# Altium PCB SVPX_FMC_6U_SOM.PcbDoc (part 5 of 9)
Units mm, origin at the board's own origin, x right, y up, seen from the top; angles counter-clockwise.
Board outline 160.38 x 233.53 mm, 10 copper layers (Top Layer, L1, P1, L2, P2, P3, L3, P4, L4, Bottom Layer), stack 1.749 mm thick; 649 components, 1262 nets, 4113 pads, 1924 vias.
Unrouted connection lines stored in the file: 1553.
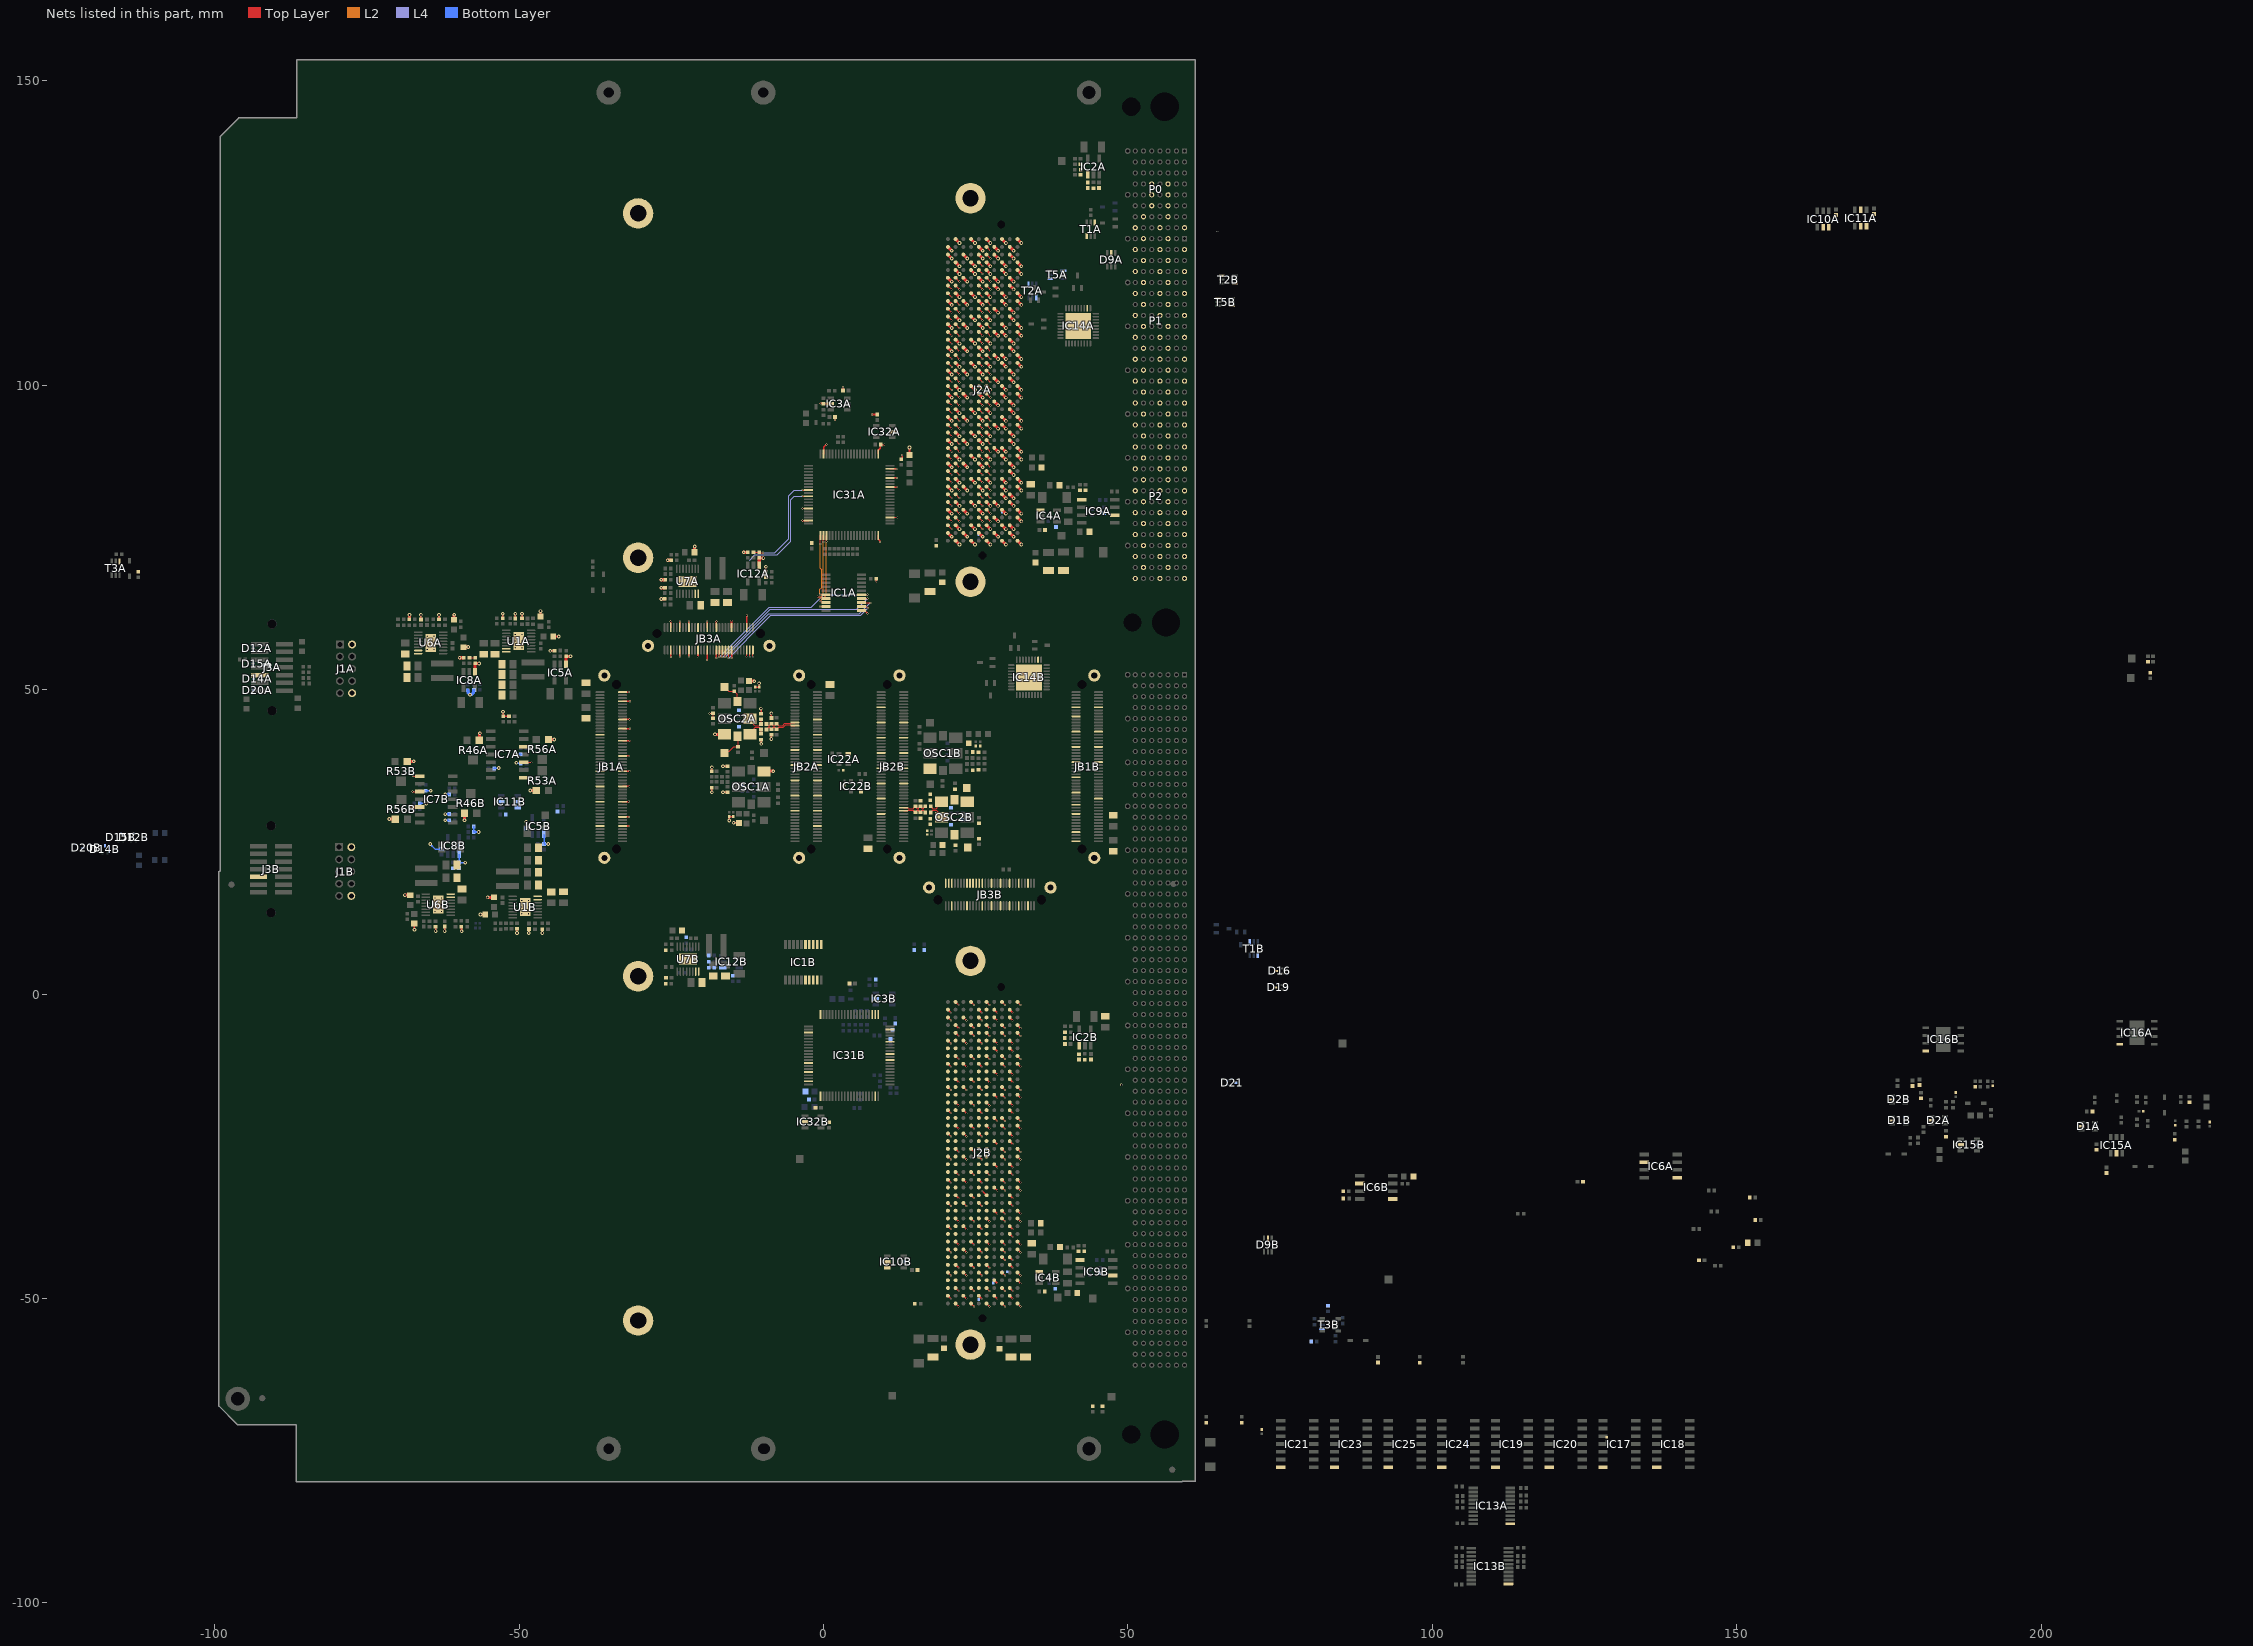
[diagram p13: the nets of this part, all layers, seen from the top]

## Via types
v1: diameter 0.32, hole 0.16, Top Layer to Bottom Layer, 654 vias
v2: diameter 0.6, hole 0.3, Top Layer to Bottom Layer, 398 vias
v3: diameter 1, hole 0.5, Top Layer to Bottom Layer, 314 vias
v4: diameter 0.3, hole 0.2, Top Layer to Bottom Layer, tented both sides, 270 vias
v5: diameter 0.6, hole 0.5, Top Layer to Bottom Layer, 248 vias
v6: diameter 0.5, hole 0.2, Top Layer to Bottom Layer, 18 vias
v7: diameter 0.3, hole 0.2, Top Layer to Bottom Layer, 18 vias
v8: diameter 0.4, hole 0.3, Top Layer to Bottom Layer, tented both sides, 4 vias

## Nets (pads, with @x,y where several pads share a name; then routed paths per layer and width w, separated by ;. In a path a pad name is that pad's centre, name@x,y a point inside that pad or via, vN(x,y) a via of type N, cw(c..) or ccw(c..) an arc to the next point about the centre after c; other vN are vias at no path point) (continued)
GND: B1A.1 B1B.1 B2A.1 B2B.1 B3A.1 B3B.1 B4A.1 B4B.1 C1A.1 C1B.1 C2A.2 C2B.2 C3A.2 C3B.2 C4A.1 C4B.1 C5A.1 C5B.1 C8A.1 C8B.1 C9A.1 C9B.1 C10A.1 C10B.1 C11A.1 C11B.1 C12A.1 C12B.1 C18A.1 C18B.1 C20A.1 C20B.1 C21A.1 C21B.1 C22A.1 C22B.1 C23A.1 C23B.1 C24A.1 C24B.1 C25A.1 C25B.1 C26A.1 C26B.1 C27A.1 C27B.1 C28A.1 C28B.1 C29A.1 C29B.1 C31A.1 C31B.1 C32A.1 C32B.1 C33A.2 C33B.2 C34A.2 C34B.2 C35A.1 C35B.1 C72A.1 C72B.1 C74A.1 C74B.1 C75A.1 C75B.1 C78A.1 C78B.1 C79A.1 C79B.1 C82A.1 C82B.1 C83A.1 C83B.1 C86A.1 C86B.1 C87A.1 C87B.1 C166A.1 C166B.1 C172A.1 C172B.1 C174.1 C175A.1 C175B.1 C176A.1 C176B.1 C177A.1 C177B.1 C179A.1 C179B.1 C180A.1 C180B.1 C181A.2 C181B.2 C183A.1 C183B.1 C184A.2 C184B.2 C185A.1 C185B.1 C186A.1 C186B.1 C187A.2 C187B.2 C188A.1 C188B.1 C189A.1 C189B.1 C190A.2 C190B.2 C191A.1 C191B.1 C192A.1 C192B.1 C193A.1 C193B.1 C196A.1 C196B.1 C197A.1 C197B.1 C199A.1 C199B.1 C200A.2 C200B.2 C201A.1 C201B.1 C202A.1 C202B.1 C203A.1 C203B.1 C204A.1 C204B.1 C205A.1 C205B.1 C207A.1 C207B.1 C209A.1 C209B.1 C211.2 C212.2 C213A.1 C213B.1 C214A.1 C214B.1 C215A.1 C215B.1 C216A.1 C216B.1 C225A.1 C225B.1 C230A.2 C230B.2 C232A.1 C232B.1 C233A.1 C233B.1 C234A.1 C234B.1 C253A.1 C253B.1 C269A.1 C269B.1 C270A.1 C270B.1 D1A.2 D1B.2 D2A.2 D2B.2 D9A.2 D9B.2 D12A.3 D12B.3 D14A.3 D14B.3 D15A.3 D15B.3 D16.3 D19.3 D20A.3 D20B.3 D21.3 IC1A.11 IC1B.11 IC2A.1 IC2B.1 IC3A.2 IC3B.2 IC4A.1 IC4B.1 IC5A.1 IC5B.1 IC6A.2 IC6A.5 IC6B.2 IC6B.5 IC7A.12 IC7B.12 IC8A.1 IC8B.1 IC9A.2 IC9A.5 IC9B.2 IC9B.5 IC10A.2 IC10A.3 IC10B.2 IC10B.3 IC11A.2 IC11A.3 IC11A.5 IC11B.2 IC11B.3 IC11B.5 IC12A.1 IC12B.1 IC13A.11 IC13B.11 IC14A.11 IC14A.37 IC14B.11 IC14B.37 IC15A.2 IC15B.2 IC16A.4 IC16B.4 IC17.7 IC18.7 IC19.7 IC20.7 IC21.7 IC22A.2 IC22B.2 IC23.7 IC24.7 IC25.7 IC31A.1 IC31A.19 IC31A.39 IC31A.60 IC31A.73 IC31A.76 IC31A.79 IC31B.1 IC31B.19 IC31B.39 IC31B.60 IC31B.73 IC31B.76 IC31B.79 IC32A.2 IC32B.2 J1A.2 J1A.10 J1B.2 J1B.10 J2A.a1 J2A.a4 J2A.a5 J2A.a8 J2A.a9 J2A.a12 J2A.a13 J2A.a16 J2A.a17 J2A.a20 J2A.a21 J2A.a24 J2A.a25 J2A.a28 J2A.a29 J2A.a32 J2A.a33 J2A.a36 J2A.a37 J2A.a40 J2A.b2 J2A.b3 J2A.b6 J2A.b7 J2A.b10 J2A.b11 J2A.b14 J2A.b15 J2A.b18 J2A.b19 J2A.b22 J2A.b23 J2A.b26 J2A.b27 J2A.b30 J2A.b31 J2A.b34 J2A.b35 J2A.b38 J2A.b39 J2A.c1 J2A.c4 J2A.c5 J2A.c8 J2A.c9 J2A.c12 J2A.c13 J2A.c16 J2A.c17 J2A.c20 J2A.c21 J2A.c24 J2A.c25 J2A.c28 J2A.c29 J2A.c32 J2A.c33 J2A.c34 J2A.c36 J2A.c38 J2A.c40 J2A.d2 J2A.d3 J2A.d6 J2A.d7 J2A.d10 J2A.d13 J2A.d16 J2A.d19 J2A.d22 J2A.d25 J2A.d28 J2A.d35 J2A.d37 J2A.d39 J2A.e1 J2A.e4 J2A.e5 J2A.e8 J2A.e11 J2A.e14 J2A.e17 J2A.e20 J2A.e23 J2A.e26 J2A.e29 J2A.e32 J2A.e35 J2A.e38 J2A.e40 J2A.f2 J2A.f3 J2A.f6 J2A.f9 J2A.f12 J2A.f15 J2A.f18 J2A.f21 J2A.f24 J2A.f27 J2A.f30 J2A.f33 J2A.f36 J2A.f39 J2A.g1 J2A.g4 J2A.g5 J2A.g8 J2A.g11 J2A.g14 J2A.g17 J2A.g20 J2A.g23 J2A.g26 J2A.g29 J2A.g32 J2A.g35 J2A.g38 J2A.g40 J2A.h3 J2A.h6 J2A.h9 J2A.h12 J2A.h15 J2A.h18 J2A.h21 J2A.h24 J2A.h27 J2A.h30 J2A.h33 J2A.h36 J2A.h39 J2A.j1 J2A.j4 J2A.j5 J2A.j8 J2A.j11 J2A.j14 J2A.j17 J2A.j20 J2A.j23 J2A.j26 J2A.j29 J2A.j32 J2A.j35 J2A.j38 J2A.j40 J2A.k2 J2A.k3 J2A.k6 J2A.k9 J2A.k12 J2A.k15 J2A.k18 J2A.k21 J2A.k24 J2A.k27 J2A.k30 J2A.k33 J2A.k36 J2A.k39 J2B.a1 J2B.a4 J2B.a5 J2B.a8 J2B.a9 J2B.a12 J2B.a13 J2B.a16 J2B.a17 J2B.a20 J2B.a21 J2B.a24 J2B.a25 J2B.a28 J2B.a29 J2B.a32 J2B.a33 J2B.a36 J2B.a37 J2B.a40 J2B.b2 J2B.b3 J2B.b6 J2B.b7 J2B.b10 J2B.b11 J2B.b14 J2B.b15 J2B.b18 J2B.b19 J2B.b22 J2B.b23 J2B.b26 J2B.b27 J2B.b30 J2B.b31 J2B.b34 J2B.b35 J2B.b38 J2B.b39 J2B.c1 J2B.c4 J2B.c5 J2B.c8 J2B.c9 J2B.c12 J2B.c13 J2B.c16 J2B.c17 J2B.c20 J2B.c21 J2B.c24 J2B.c25 J2B.c28 J2B.c29 J2B.c32 J2B.c33 J2B.c34 J2B.c36 J2B.c38 J2B.c40 J2B.d2 J2B.d3 J2B.d6 J2B.d7 J2B.d10 J2B.d13 J2B.d16 J2B.d19 J2B.d22 J2B.d25 J2B.d28 J2B.d37 J2B.d39 J2B.e1 J2B.e4 J2B.e5 J2B.e8 J2B.e11 J2B.e14 J2B.e17 J2B.e20 J2B.e23 J2B.e26 J2B.e29 J2B.e32 J2B.e35 J2B.e38 J2B.e40 J2B.f2 J2B.f3 J2B.f6 J2B.f9 J2B.f12 J2B.f15 J2B.f18 J2B.f21 J2B.f24 J2B.f27 J2B.f30 J2B.f33 J2B.f36 J2B.f39 J2B.g1 J2B.g4 J2B.g5 J2B.g8 J2B.g11 J2B.g14 J2B.g17 J2B.g20 J2B.g23 J2B.g26 J2B.g29 J2B.g32 J2B.g35 J2B.g38 J2B.g40 J2B.h3 J2B.h6 J2B.h9 J2B.h12 J2B.h15 J2B.h18 J2B.h21 J2B.h24 J2B.h27 J2B.h30 J2B.h33 J2B.h36 J2B.h39 J2B.j1 J2B.j4 J2B.j5 J2B.j8 J2B.j11 J2B.j14 J2B.j17 J2B.j20 J2B.j23 J2B.j26 J2B.j29 J2B.j32 J2B.j35 J2B.j38 J2B.j40 J2B.k2 J2B.k3 J2B.k6 J2B.k9 J2B.k12 J2B.k15 J2B.k18 J2B.k21 J2B.k24 J2B.k27 J2B.k30 J2B.k33 J2B.k36 J2B.k39 J3A.9 J3B.9 JB1A.1 JB1A.7 JB1A.19 JB1A.25 JB1A.30 JB1A.33 JB1A.43 JB1A.53 JB1A.54 JB1A.63 JB1A.64 JB1A.73 JB1A.74 JB1A.83 JB1A.89 JB1A.90 JB1A.F1 JB1A.F2 JB1B.1 JB1B.7 JB1B.19 JB1B.25 JB1B.30 JB1B.33 JB1B.43 JB1B.53 JB1B.54 JB1B.63 JB1B.64 JB1B.73 JB1B.74 JB1B.83 JB1B.89 JB1B.90 JB1B.F1 JB1B.F2 JB2A.19 JB2A.29 JB2A.39 JB2A.40 JB2A.49 JB2A.50 JB2A.59 JB2A.60 JB2A.69 JB2A.70 JB2A.79 JB2A.80 JB2A.89 JB2A.F1 JB2A.F2 JB2B.19 JB2B.29 JB2B.39 JB2B.40 JB2B.49 JB2B.50 JB2B.59 JB2B.60 JB2B.69 JB2B.70 JB2B.79 JB2B.80 JB2B.89 JB2B.F1 JB2B.F2 JB3A.5 JB3A.6 JB3A.11 JB3A.12 JB3A.17 JB3A.18 JB3A.23 JB3A.24 JB3A.29 JB3A.30 JB3A.35 JB3A.36 JB3A.45 JB3A.46 JB3A.55 JB3A.F1 JB3A.F2 JB3B.5 JB3B.6 JB3B.11 JB3B.12 JB3B.17 JB3B.18 JB3B.23 JB3B.24 JB3B.29 JB3B.30 JB3B.35 JB3B.36 JB3B.45 JB3B.46 JB3B.55 JB3B.F1 JB3B.F2 OSC1A.3 OSC1B.3 OSC2A.3 OSC2B.3 P0.A8 P0.C4 P0.C5 P0.C6 P0.C7 P0.D8 P0.E4 P0.E5 P0.E6 P0.F7 P0.G8 P1.A2 P1.A4 P1.A6 P1.A8 P1.A10 P1.A12 P1.A14 P1.A16 P1.C1 P1.C3 P1.C5 P1.C7 P1.C9 P1.C11 P1.C13 P1.C15 P1.D2 P1.D4 P1.D6 P1.D8 P1.D10 P1.D12 P1.D14 P1.D16 P1.F1 P1.F3 P1.F5 P1.F7 P1.F9 P1.F11 P1.F13 P1.F15 P1.G2 P1.G4 P1.G6 P1.G8 P1.G10 P1.G12 P1.G14 P1.G16 P2.A2 P2.A4 P2.A6 P2.A8 P2.A10 P2.A12 P2.A14 P2.A16 P2.C1 P2.C3 P2.C5 P2.C7 P2.C9 P2.C11 P2.C13 P2.C15 P2.D2 P2.D4 P2.D6 P2.D8 P2.D10 P2.D12 P2.D14 P2.D16 P2.F1 P2.F3 P2.F5 P2.F7 P2.F9 P2.F11 P2.F13 P2.F15 P2.G2 P2.G4 P2.G6 P2.G8 P2.G10 P2.G12 P2.G14 P2.G16 R7A.1 R7B.1 R10A.1 R10B.1 R12A.1 R12B.1 R13A.1 R13B.1 R18A.1 R18B.1 R21A.1 R21B.1 R29A.1 R29B.1 R30A.1 R30B.1 R43.1 R44.1 R46A.1 R46B.1 R48A.1 R48B.1 R53A.1 R53B.1 R54A.1 R54B.1 R56A.1 R56B.1 R57A.1 R57B.1 R61A.1 R61B.1 R70A.1 R70B.1 R71A.1 R71B.1 R72A.1 R72B.1 R73A.1 R73B.1 R80A.1 R80B.1 R82A.1 R82B.1 R84A.1 R84B.1 R90A.1 R90B.1 R93A.1 R93B.1 R111A.1 R111B.1 R112A.1 R112B.1 R113A.1 R113B.1 R114A.1 R114B.1 R125A.1 R125B.1 R126A.1 R126B.1 R127A.1 R127B.1 R128A.1 R128B.1 R150.1 R151.1 R156A.1 R156B.1 R192A.1 R192B.1 R193A.1 R193B.1 R194A.1 R194B.1 R195A.1 R195B.1 T1A.1 T1A.4 T1B.1 T1B.4 T2A.1 T2A.4 T2B.1 T2B.4 T3A.4 T3B.4 T5A.1 T5A.4 T5B.1 T5B.4 U1A.7 U1A.8 U1A.17 U1B.7 U1B.8 U1B.17 U6A.7 U6A.8 U6A.17 U6B.7 U6B.8 U6B.17 U7A.7 U7A.8 U7A.17 U7B.7 U7B.8 U7B.17 | length 376.5
  Top Layer w0.254: C27B.1@-67.208,11.57 -67.208,10.592 v2(-67.183,10.566) ; C24A.1@-66.125,61.525 v2(-66.125,62.284) ; R18B.1@-63.717,11.057 -63.71,11.05 -63.71,10.345 v2(-63.703,10.338) ; R18A.1@-63.15,61.545 v2(-63.15,62.284) ; v2(-62.23,10.338) -62.224,10.344 -62.224,11.071 C24B.1@-62.217,11.077 ; R21B.1@-59.479,11.081 -59.457,11.06 -59.457,10.334 v2(-59.436,10.312) ; R61A.1@-52.684,61.743 -52.682,61.746 -52.682,62.456 v2(-52.68,62.459) ; v2(-52.629,46.355) -52.616,46.342 -52.616,45.649 C83A.1@-52.603,45.637 -52.583,45.657 R192A.1@-51.664,45.657 ; C214A.1@-50.609,61.703 v2(-50.609,62.459) ; v2(-50.343,10.033) R7B.1@-50.343,10.706 ; R7A.1@-49.509,61.698 v2(-49.509,62.459) ; v2(-48.412,10.033) -48.4,10.046 -48.4,10.688 C214B.1@-48.387,10.701 ; C215A.1@-46.484,62.028 -46.482,62.03 v2(-46.482,62.89) ; v2(-46.177,10.033) R61B.1@-46.177,10.655 ; v2(-44.882,56.363) -44.873,56.372 -44.205,56.372 C10A.1@-44.196,56.381 ; C216A.1@-44.384,58.728 -44.38,58.725 v2(-43.485,58.725) ; JB1A.89@-33,27.6 -32.995,27.605 -31.907,27.605 v1(-31.902,27.61) ; JB1A.83@-33,29.1 -32.992,29.091 -31.962,29.091 v1(-31.953,29.083) ; JB1A.73@-33,31.6 -32.999,31.599 -31.98,31.599 v1(-31.979,31.598) ; JB1A.63@-33,34.1 -32.994,34.106 -31.909,34.106 v1(-31.902,34.112) ; JB1A.53@-32.999,36.601 v1(-31.877,36.601) ; JB1A.43@-33,39.1 -32.992,39.108 -31.91,39.108 v1(-31.902,39.116) ; JB1A.33@-33,41.6 -32.997,41.603 -31.829,41.603 v1(-31.826,41.605) ; JB1A.25@-33,43.6 -32.994,43.606 -31.756,43.606 v1(-31.75,43.612) ; JB1A.19@-33,45.1 -32.995,45.105 -31.857,45.105 v1(-31.852,45.11) ; JB1A.7@-33,48.1 -32.991,48.091 -31.759,48.091 v1(-31.75,48.082) ; JB1A.1@-33,49.6 -32.997,49.603 -31.982,49.603 v1(-31.979,49.606) ; JB3A.6@-25.1,56.5 -25.091,56.491 -25.091,55.411 -25.07,55.39 v1(-25.07,55.372) ; JB3A.5@-25.1,60.2 -25.097,60.202 -25.097,61.212 v1(-25.095,61.214) ; JB3A.12@-23.6,56.5 -23.598,56.499 -23.598,55.424 v1(-23.597,55.423) ; JB3A.11@-23.6,60.2 -23.598,60.201 v1(-23.597,61.189) v1(-23.597,61.189) ; v1@-22.099,55.449 JB3A.18@-22.1,56.5 ; JB3A.17@-22.1,60.2 v1(-22.098,61.189) ; v1(-20.65,55.474) -20.65,55.491 -20.608,55.533 -20.608,56.491 JB3A.24@-20.6,56.5 ; v1@-19.1,54.865 JB3A.30@-19.1,56.5 ; JB3A.29@-19.1,60.2 v1@-19.1,61.188 ; R113A.1@-18.349,33.905 -18.344,33.9 -18.344,33.145 v2(-18.339,33.14) ; R114A.1@-18.349,36.6 -18.344,36.606 -18.344,37.231 v2(-18.339,37.236) ; v1(-17.602,55.169) -17.601,55.17 -17.601,56.499 JB3A.36@-17.6,56.5 ; JB3A.35@-17.6,60.2 -17.591,60.209 -17.591,61.182 -17.577,61.196 v1(-17.577,61.214) ; v2(-16.51,33.14) -16.507,33.137 -15.776,33.137 R112A.1@-15.773,33.134 ; v2(-16.51,37.414) -16.504,37.421 -15.78,37.421 R111A.1@-15.773,37.427 ; v2(-15.469,28.499) -15.459,28.509 -15.459,29.141 C177A.1@-15.449,29.15 C186A.1@-14.824,29.15 ; v1(-15.113,61.316) -15.106,61.309 -15.106,60.207 JB3A.45@-15.1,60.2 ; JB3A.46@-15.1,56.5 -15.094,56.494 -15.094,55.175 v1(-15.088,55.169) ; v2(-14.757,28.14) -13.914,28.14 C176A.1@-13.874,28.1 ; JB3A.55@-12.6,60.2 v1(-12.598,62.179) ; C196A.1@-11.2,50.425 C191A.1@-10.575,50.425 -10.57,50.429 -10.57,51.025 v2(-10.566,51.029) ; v2(-10.287,46.888) -10.25,46.851 R126A.1@-10.25,46.07 ; R125A.1@-10.25,41.78 -10.23,41.761 -10.23,41.117 v2(-10.211,41.097) ; v2(-9.47,70.18) R90A.1@-9.47,69.35 -9.45,69.33 C87A.1@-9.45,68.475 ; v2(-8.56,41.885) -8.555,41.89 -8.555,42.55 R128A.1@-8.55,42.555 ; v2(-8.56,46.101) -8.555,46.096 -8.555,45.345 R127A.1@-8.55,45.34 ; v1@-3.48,77.775 IC31A.39@-2.45,77.775 ; v1(-0.533,97.028) -0.521,97.015 -0.065,97.015 C172A.1@0,96.95 1.16,96.95 IC3A.2@1.18,96.93 ; IC31A.19@0,88.725 0.023,88.748 0.023,89.836 0.446,90.259 0.47,90.259 v1(0.483,90.272) ; C199A.1@1.875,94.8 1.892,94.783 1.892,94.297 v1(1.905,94.285) ; C201A.1@3.2,99.125 3.213,99.138 3.213,99.657 v1(3.226,99.67) ; IC1A.11@6.212,63.005 6.737,63.005 7.207,62.535 v1(7.214,62.535) ; v1(7.95,95.199) 7.963,95.187 8.819,95.187 C232A.1@8.839,95.167 ; v1@8.662,67.717 C2A.2@8.662,68.205 ; IC31A.60@9,75.325 9,74.725 9.258,74.467 9.258,74.231 v1(9.271,74.219) ; IC31A.1@9,88.725 9,89.325 9.312,89.637 9.312,90.167 C233A.1@9.391,90.246 v1(9.982,90.246) ; IC31A.73@10.95,83.275 10.957,83.268 12.109,83.268 v1(12.116,83.261) ; IC31A.76@10.95,84.775 10.955,84.78 12.06,84.78 v1(12.065,84.785) ; IC31A.79@10.95,86.275 10.973,86.252 11.952,86.252 11.996,86.208 v1(12.014,86.208) ; IC32A.2@11.282,92.38 v1(12.09,92.38) ; C203A.1@12.775,87.825 12.916,87.966 12.916,88.506 v1(12.929,88.519) ; C202A.1@14.1,88.55 14.122,88.572 v2(14.122,89.764) ; J2B.k39@20.43,-49.548 v4(20.93,-50.048) ; J2B.k36@20.43,-45.738 v4(20.93,-46.238) ; J2B.k33@20.43,-41.928 v4(20.93,-42.428) ; J2B.k30@20.43,-38.118 v4(20.93,-38.618) ; J2B.k27@20.43,-34.308 v4(20.93,-34.808) ; J2B.k24@20.43,-30.498 v4(20.93,-30.998) ; J2B.k21@20.43,-26.688 v4(20.93,-27.188) ; J2B.k18@20.43,-22.878 v4(20.93,-23.378) ; J2B.k15@20.43,-19.068 v4(20.93,-19.568) ; J2B.k12@20.43,-15.258 v4(20.93,-15.758) ; J2B.k9@20.43,-11.448 v4(20.93,-11.948) ; J2B.k6@20.43,-7.638 v4(20.93,-8.138) ; J2B.k3@20.43,-3.828 v4(20.93,-4.328) ; J2B.k2@20.43,-2.558 v4(20.93,-3.058) ; J2B.j40@21.7,-50.818 v4(22.2,-51.318) ; J2B.j38@21.7,-48.278 v4(22.2,-48.778) ; J2B.j35@21.7,-44.468 v4(22.2,-44.968) ; J2B.j32@21.7,-40.658 v4(22.2,-41.158) ; J2B.j29@21.7,-36.848 v4(22.2,-37.348) ; J2B.j26@21.7,-33.038 v4(22.2,-33.538) ; J2B.j23@21.7,-29.228 v4(22.2,-29.728) ; J2B.j20@21.7,-25.418 v4(22.2,-25.918) ; J2B.j17@21.7,-21.608 v4(22.2,-22.108) ; J2B.j14@21.7,-17.798 v4(22.2,-18.298) ; J2B.j11@21.7,-13.988 v4(22.2,-14.488) ; J2B.j8@21.7,-10.178 v4(22.2,-10.678) ; J2B.j5@21.7,-6.368 v4(22.2,-6.868) ; J2B.j4@21.7,-5.098 v4(22.2,-5.598) ; J2B.j1@21.7,-1.288 v4(22.2,-1.788) ; J2B.h39@22.97,-49.548 v4(23.47,-50.048) ; J2B.h36@22.97,-45.738 v4(23.47,-46.238) ; J2B.h33@22.97,-41.928 v4(23.47,-42.428) ; J2B.h30@22.97,-38.118 v4(23.47,-38.618) ; J2B.h27@22.97,-34.308 v4(23.47,-34.808) ; J2B.h24@22.97,-30.498 v4(23.47,-30.998) ; J2B.h21@22.97,-26.688 v4(23.47,-27.188) ; J2B.h18@22.97,-22.878 v4(23.47,-23.378) ; J2B.h15@22.97,-19.068 v4(23.47,-19.568) ; J2B.h12@22.97,-15.258 v4(23.47,-15.758) ; J2B.h9@22.97,-11.448 v4(23.47,-11.948) ; J2B.h6@22.97,-7.638 v4(23.47,-8.138) ; J2B.h3@22.97,-3.828 v4(23.47,-4.328) ; J2B.g40@24.24,-50.818 v4(24.74,-51.318) ; J2B.g38@24.24,-48.278 v4(24.74,-48.778) ; J2B.g35@24.24,-44.468 v4(24.74,-44.968) ; J2B.g32@24.24,-40.658 v4(24.74,-41.158) ; J2B.g29@24.24,-36.848 v4(24.74,-37.348) ; J2B.g26@24.24,-33.038 v4(24.74,-33.538) ; J2B.g23@24.24,-29.228 v4(24.74,-29.728) ; J2B.g20@24.24,-25.418 v4(24.74,-25.918) ; J2B.g17@24.24,-21.608 v4(24.74,-22.108) ; J2B.g14@24.24,-17.798 v4(24.74,-18.298) ; J2B.g11@24.24,-13.988 v4(24.74,-14.488) ; J2B.g8@24.24,-10.178 v4(24.74,-10.678) ; J2B.g5@24.24,-6.368 v4(24.74,-6.868) ; J2B.g4@24.24,-5.098 v4(24.74,-5.598) ; J2B.g1@24.24,-1.288 v4(24.74,-1.788) ; J2B.f39@25.51,-49.548 v4(26.01,-50.048) ; J2B.f36@25.51,-45.738 v4(26.01,-46.238) ; J2B.f33@25.51,-41.928 v4(26.01,-42.428) ; J2B.f30@25.51,-38.118 v4(26.01,-38.618) ; J2B.f27@25.51,-34.308 v4(26.01,-34.808) ; J2B.f24@25.51,-30.498 v4(26.01,-30.998) ; J2B.f21@25.51,-26.688 v4(26.01,-27.188) ; J2B.f18@25.51,-22.878 v4(26.01,-23.378) ; J2B.f15@25.51,-19.068 v4(26.01,-19.568) ; J2B.f12@25.51,-15.258 v4(26.01,-15.758) ; J2B.f9@25.51,-11.448 v4(26.01,-11.948) ; J2B.f6@25.51,-7.638 v4(26.01,-8.138) ; J2B.f3@25.51,-3.828 v4(26.01,-4.328) ; J2B.f2@25.51,-2.558 v4(26.01,-3.058) ; v4(26.073,-32.331) J2B.e26@26.78,-33.038 ; J2B.e40@26.78,-50.818 v4(27.28,-51.318) ; J2B.e38@26.78,-48.278 v4(27.28,-48.778) ; J2B.e35@26.78,-44.468 v4(27.28,-44.968) ; J2B.e32@26.78,-40.658 v4(27.28,-41.158) ; J2B.e29@26.78,-36.848 v4(27.28,-37.348) ; J2B.e23@26.78,-29.228 v4(27.28,-29.728) ; J2B.e20@26.78,-25.418 v4(27.28,-25.918) ; J2B.e17@26.78,-21.608 v4(27.28,-22.108) ; J2B.e14@26.78,-17.798 v4(27.28,-18.298) ; J2B.e11@26.78,-13.988 v4(27.28,-14.488) ; J2B.e8@26.78,-10.178 v4(27.28,-10.678) ; J2B.e5@26.78,-6.368 v4(27.28,-6.868) ; J2B.e4@26.78,-5.098 v4(27.28,-5.598) ; J2B.e1@26.78,-1.288 v4(27.28,-1.788) ; J2B.d39@28.05,-49.548 v4(28.55,-50.048) ; J2B.d37@28.05,-47.008 v4(28.55,-47.508) ; J2B.d28@28.05,-35.578 v4(28.55,-36.078) ; J2B.d25@28.05,-31.768 v4(28.55,-32.268) ; J2B.d22@28.05,-27.958 v4(28.55,-28.458) ; J2B.d19@28.05,-24.148 v4(28.55,-24.648) ; J2B.d16@28.05,-20.338 v4(28.55,-20.838) ; J2B.d13@28.05,-16.528 v4(28.55,-17.028) ; J2B.d10@28.05,-12.718 v4(28.55,-13.218) ; J2B.d7@28.05,-8.908 v4(28.55,-9.408) ; J2B.d6@28.05,-7.638 v4(28.55,-8.138) ; J2B.d3@28.05,-3.828 v4(28.55,-4.328) ; J2B.d2@28.05,-2.558 v4(28.55,-3.058) ; J2B.c40@29.32,-50.818 v4(29.82,-51.318) ; J2B.c38@29.32,-48.278 v4(29.82,-48.778) ; J2B.c36@29.32,-45.738 v4(29.82,-46.238) ; J2B.c34@29.32,-43.198 v4(29.82,-43.698) ; J2B.c33@29.32,-41.928 v4(29.82,-42.428) ; J2B.c32@29.32,-40.658 v4(29.82,-41.158) ; J2B.c29@29.32,-36.848 v4(29.82,-37.348) ; J2B.c28@29.32,-35.578 v4(29.82,-36.078) ; J2B.c25@29.32,-31.768 v4(29.82,-32.268) ; J2B.c24@29.32,-30.498 v4(29.82,-30.998) ; J2B.c21@29.32,-26.688 v4(29.82,-27.188) ; J2B.c20@29.32,-25.418 v4(29.82,-25.918) ; J2B.c17@29.32,-21.608 v4(29.82,-22.108) ; J2B.c16@29.32,-20.338 v4(29.82,-20.838) ; J2B.c13@29.32,-16.528 v4(29.82,-17.028) ; J2B.c12@29.32,-15.258 v4(29.82,-15.758) ; J2B.c9@29.32,-11.448 v4(29.82,-11.948) ; J2B.c8@29.32,-10.178 v4(29.82,-10.678) ; J2B.c5@29.32,-6.368 v4(29.82,-6.868) ; J2B.c4@29.32,-5.098 v4(29.82,-5.598) ; J2B.c1@29.32,-1.288 v4(29.82,-1.788) ; J2B.b39@30.59,-49.548 v4(31.09,-50.048) ; J2B.b38@30.59,-48.278 v4(31.09,-48.778) ; J2B.b35@30.59,-44.468 v4(31.09,-44.968) ; J2B.b34@30.59,-43.198 v4(31.09,-43.698) ; J2B.b31@30.59,-39.388 v4(31.09,-39.888) ; J2B.b30@30.59,-38.118 v4(31.09,-38.618) ; J2B.b27@30.59,-34.308 v4(31.09,-34.808) ; J2B.b26@30.59,-33.038 v4(31.09,-33.538) ; J2B.b23@30.59,-29.228 v4(31.09,-29.728) ; J2B.b22@30.59,-27.958 v4(31.09,-28.458) ; J2B.b19@30.59,-24.148 v4(31.09,-24.648) ; J2B.b18@30.59,-22.878 v4(31.09,-23.378) ; J2B.b15@30.59,-19.068 v4(31.09,-19.568) ; J2B.b14@30.59,-17.798 v4(31.09,-18.298) ; J2B.b11@30.59,-13.988 v4(31.09,-14.488) ; J2B.b10@30.59,-12.718 v4(31.09,-13.218) ; J2B.b7@30.59,-8.908 v4(31.09,-9.408) ; J2B.b6@30.59,-7.638 v4(31.09,-8.138) ; J2B.b3@30.59,-3.828 v4(31.09,-4.328) ; J2B.b2@30.59,-2.558 v4(31.09,-3.058) ; J2B.a40@31.86,-50.818 v4(32.36,-51.318) ; J2B.a37@31.86,-47.008 v4(32.36,-47.508) ; J2B.a36@31.86,-45.738 v4(32.36,-46.238) ; J2B.a33@31.86,-41.928 v4(32.36,-42.428) ; J2B.a32@31.86,-40.658 v4(32.36,-41.158) ; J2B.a29@31.86,-36.848 v4(32.36,-37.348) ; J2B.a28@31.86,-35.578 v4(32.36,-36.078) ; J2B.a25@31.86,-31.768 v4(32.36,-32.268) ; J2B.a24@31.86,-30.498 v4(32.36,-30.998) ; J2B.a21@31.86,-26.688 v4(32.36,-27.188) ; J2B.a20@31.86,-25.418 v4(32.36,-25.918) ; J2B.a17@31.86,-21.608 v4(32.36,-22.108) ; J2B.a16@31.86,-20.338 v4(32.36,-20.838) ; J2B.a13@31.86,-16.528 v4(32.36,-17.028) ; J2B.a12@31.86,-15.258 v4(32.36,-15.758) ; J2B.a9@31.86,-11.448 v4(32.36,-11.948) ; J2B.a8@31.86,-10.178 v4(32.36,-10.678) ; J2B.a5@31.86,-6.368 v4(32.36,-6.868) ; J2B.a4@31.86,-5.098 v4(32.36,-5.598) ; J2B.a1@31.86,-1.288 v4(32.36,-1.788)